# KiCad board BatreeqV2.kicad_pcb (continued)
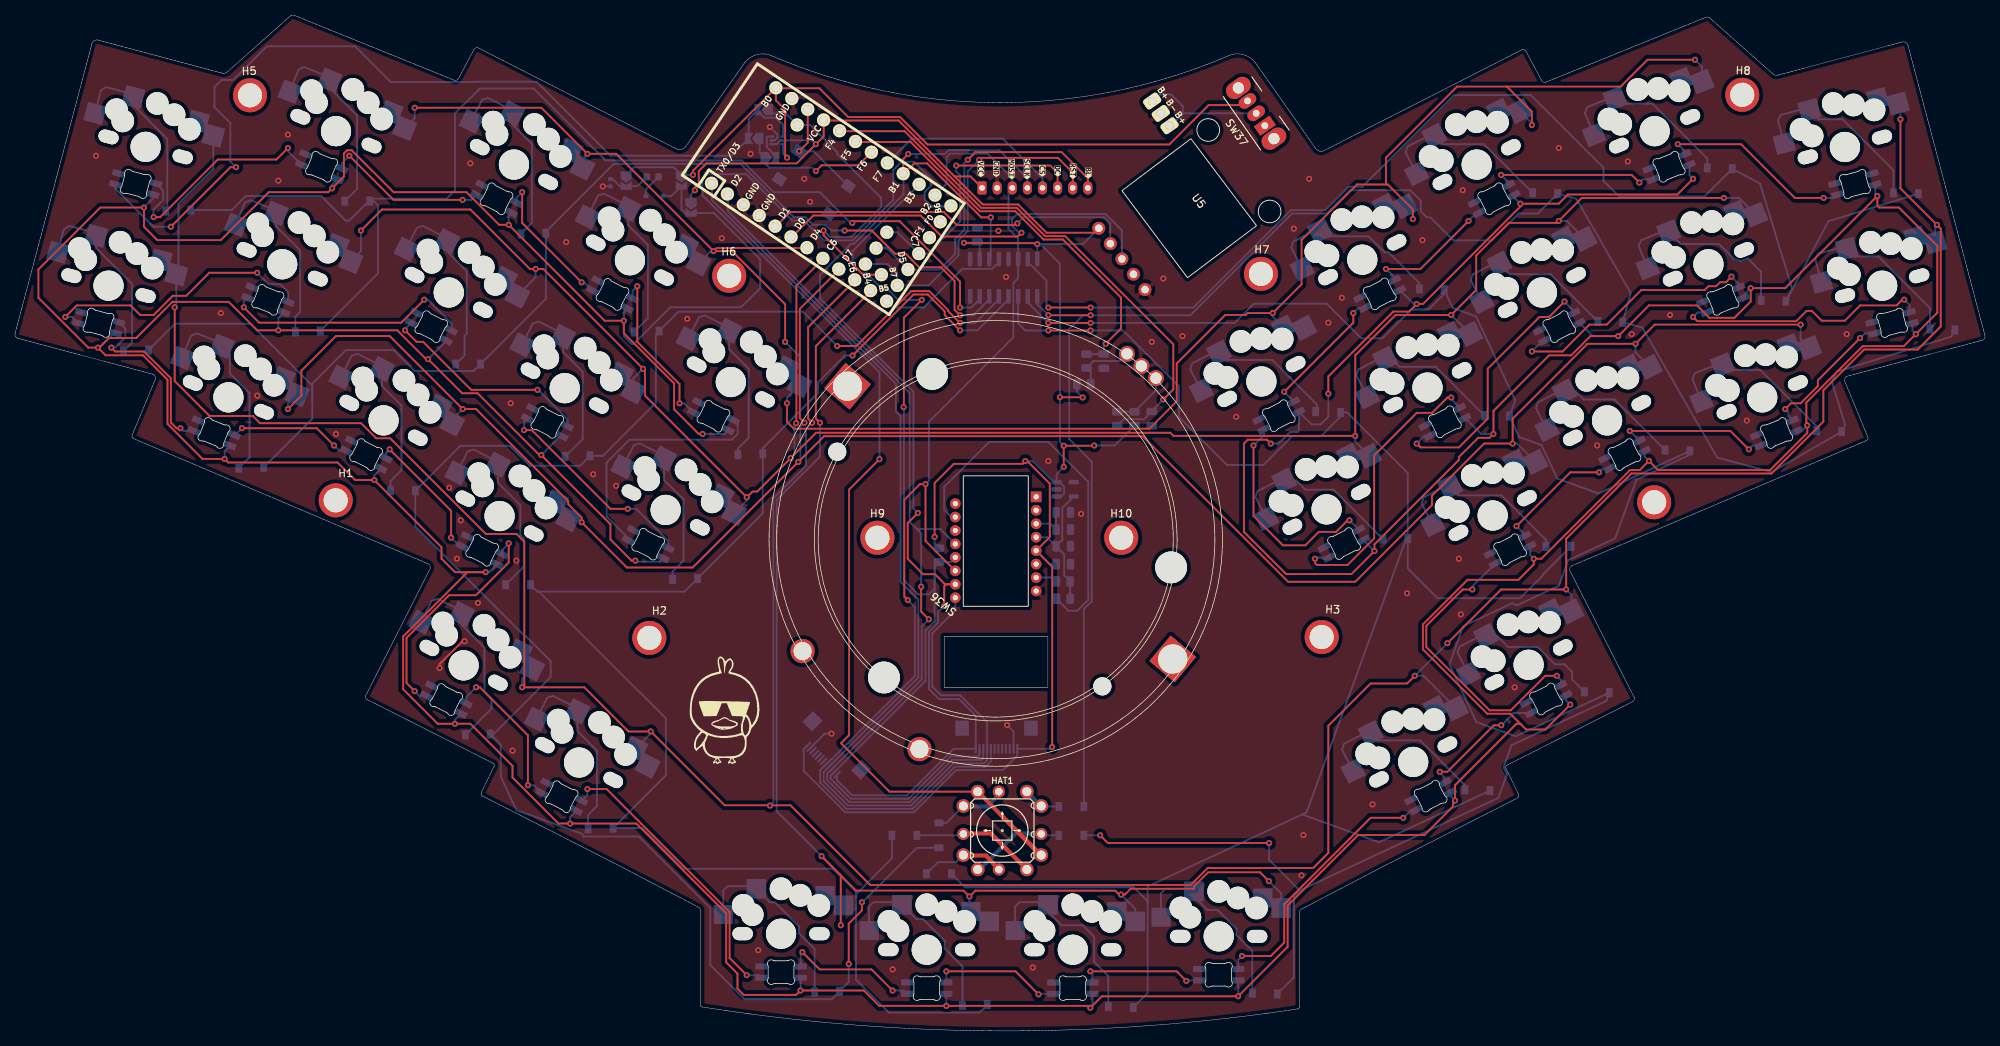
[diagram p0: board, top side]
## Routing (per net, layer and track width the routed paths; a pad name or vN(x,y) marks a point on that pad's centre or on a via; arc(x,y) is an arc through that point) (continued)
Net-(D46-Pad2): length 31.2
  Top w0.25: v1(65.34,64.52) 65.34,61.98 61.02,57.67 57.46,57.67 51.82,52.02 51.82,46.04 v1(52.89,44.97)
  Bottom w0.25: D46.2 64.48,63.67 v1(65.34,64.52) ; v1(52.89,44.97) 53.49,44.36 D52.4
Net-(D46-Pad4): length 18.4
  Top w0.25: v1(49.59,76.97) 57.72,68.84 v1(57.72,65.29)
  Bottom w0.25: v1(49.59,76.97) 49.13,76.51 D73.2 ; v1(57.72,65.29) 58.88,64.12 D46.4
Net-(D47-Pad2): length 22.4
  Top w0.25: v1(196.65,113.29) 213.93,113.29 v1(214.94,112.28)
  Bottom w0.25: D53.4 215.37,112.7 v1(214.94,112.28) ; v1(196.65,113.29) 197.7,112.24 D47.2
Net-(D48-Pad2): length 34.6
  Top w0.25: v1(227.13,99.83) 226.4,99.09 225.64,99.09 225.1,98.56 224.09,98.56 223.58,98.05 215.2,98.05 210.62,93.48 208.34,93.48 204.78,89.92 v1(200.72,89.92)
  Bottom w0.25: D48.2 228.12,98.85 v1(227.13,99.83) ; v1(200.72,89.92) 202.15,91.35 D54.4
Net-(D49-Pad2): length 17
  Top w0.25: v1(196.68,40.45) 195.69,40.45 189.54,34.3 v1(188.53,34.3)
  Bottom w0.25: v1(188.53,34.3) 189.3,33.27 D49.2 ; D55.4 198.3,42.08 v1(196.68,40.45)
Net-(D50-Pad2): length 21.6
  Top w0.25: v1(59.24,109.99) 50.1,109.99 v1(44.25,115.83)
  Bottom w0.25: v1(59.24,109.99) 60.41,109.99 D56.4 ; v1(44.25,115.83) 43.27,114.85 D50.2
Net-(D51-Pad2): length 33.3
  Top w0.25: v1(30.28,95.77) 32.32,93.73 51.11,93.73 v1(54.16,96.78)
  Bottom w0.25: v1(54.16,96.78) 54.61,96.78 57.76,93.64 D51.2 ; D57.4 30.28,96.54 v1(30.28,95.77)
Net-(D52-Pad2): length 21
  Top w0.25: v1(61.02,45.47) 61.53,45.47 67.88,39.12 v1(67.88,32.52)
  Bottom w0.25: v1(61.02,45.47) 59.72,44.18 D52.2 ; D58.4 68.67,32.52 v1(67.88,32.52)
Net-(D53-Pad2): length 26
  Top w0.25: v1(220.02,117.36) 228.4,117.36 235.52,110.24 v1(239.33,110.24)
  Bottom w0.25: D53.2 221,116.38 v1(220.02,117.36) ; v1(239.33,110.24) 240.7,110.24 D59.4
Net-(D54-Pad2): length 35.8
  Top w0.25: v1(185.48,77.73) 185.99,77.22 191.07,77.22 194.88,81.03 194.88,87.64 201.73,94.5 203,94.5 v1(205.04,96.53)
  Bottom w0.25: D54.2 206.33,95.24 v1(205.04,96.53) ; D60.4 186.51,78.77 v1(185.48,77.73)
Net-(D55-Pad2): length 39.6
  Top w0.25: v1(192.84,58.43) 191.57,58.43 186.75,53.6 186.75,50.81 195.13,42.43 197.92,42.43 202.5,47 v1(204.02,47)
  Bottom w0.25: D55.2 204.57,46.45 v1(204.02,47) ; D61.4 192.84,58.82 v1(192.84,58.43)
Net-(D56-Pad2): length 18.8
  Top w0.25: v1(74.99,99.07) 67.11,106.94 v1(67.11,111.01)
  Bottom w0.25: v1(74.99,99.07) 75.33,99.07 D62.4 ; v1(67.11,111.01) 66.38,110.27 D56.2
Net-(D57-Pad2): length 37.4
  Top w0.25: v1(32.06,100.34) 25.71,100.34 22.66,97.29 20.89,97.29 18.35,94.75 16.57,94.75 15.3,96.02 8.19,96.02 v1(6.66,94.5)
  Bottom w0.25: v1(32.06,100.34) 33.59,98.81 35.11,98.81 36.16,97.77 D57.2 ; v1(6.66,94.5) 7.54,94.5 D63.4
Net-(D58-Pad2): length 38.8
  Top w0.25: v1(75.75,32.01) 78.29,32.01 94.57,15.74 94.57,9.64 v1(96.83,7.37)
  Bottom w0.25: v1(96.83,7.37) 98.43,7.37 D64.4 ; v1(75.75,32.01) 75.75,31.24 D58.2
Net-(D60-Pad2): length 38.1
  Top w0.25: v1(190.05,83.83) 189.54,83.83 187.51,81.8 185.48,81.8 179.85,76.17 179.85,65.19 176.33,61.67 172.27,61.67 172.02,61.93 v1(172.02,62.49)
  Bottom w0.25: D65.4 172.17,62.65 v1(172.02,62.49) ; v1(190.05,83.83) 190.05,83.61 D60.2
Net-(D61-Pad2): length 17.2
  Top w0.25: v1(198.69,66.81) 205.8,73.92 v1(209.61,73.92)
  Bottom w0.25: D66.4 210.11,74.42 v1(209.61,73.92) ; v1(198.69,66.81) 199.82,65.68 D61.2
Net-(D62-Pad2): length 22
  Top w0.25: v1(82.35,98.56) 82.35,91.19 87.94,85.61 v1(87.94,83.07)
  Bottom w0.25: D62.2 81.73,97.94 v1(82.35,98.56) ; v1(87.94,83.07) 88.57,83.07 D67.4
Net-(D63-Pad2): length 23.6
  Top w0.25: v1(12.76,90.43) 13.27,89.92 17.08,89.92 20.63,86.37 20.63,80.53 21.39,79.76 v1(21.9,79.76)
  Bottom w0.25: D63.2 14.6,92.95 14.6,91.77 13.27,90.43 v1(12.76,90.43) ; v1(21.9,79.76) 22.25,79.42 D68.4
Net-(D64-Pad2): length 18.1
  Top w0.25: v1(104.2,10.42) 106.48,8.14 113.34,8.14 v1(116.14,5.34)
  Bottom w0.25: v1(116.14,5.34) 117.62,5.34 D69.4 ; v1(104.2,10.42) 103.97,10.2 D64.2
Net-(D65-Pad2): length 29.4
  Top w0.25: v1(163.89,77.48) 163.89,68.16 167.77,64.27 170.75,64.27 172.52,66.05 174.81,66.05 176.33,67.57 v1(176.59,67.57)
  Bottom w0.25: D65.2 v1(176.59,67.57) ; v1(163.89,77.48) 165.26,78.85 D70.4
Net-(D66-Pad2): length 20.3
  Top w0.25: v1(213.67,79.4) 226.99,79.4 v1(229.42,76.97)
  Bottom w0.25: v1(229.42,76.97) 229.92,77.47 D71.4 ; D66.2 v1(213.67,79.4)
Net-(D67-Pad2): length 32.4
  Bottom w0.25: D72.4 81.14,65.23 78.29,68.08 78.29,75.21 81.33,78.25 94.88,78.25 95.63,79 95.63,80.29 D67.2
Net-(D68-Pad2): length 16.4
  Top w0.25: v1(30.03,79.76) 39.94,79.76 v1(42.22,77.48)
  Bottom w0.25: v1(30.03,79.76) 29.13,78.86 D68.2 ; D73.4 42.91,76.79 v1(42.22,77.48)
Net-(D69-Pad2): length 16.9
  Top w0.25: v1(135.44,4.83) 132.39,7.88 v1(123.25,7.88)
  Bottom w0.25: D69.2 123.25,7.88 v1(123.25,7.88) ; v1(135.44,4.83) 135.51,4.91 D74.4
Net-(JP6-Pad2): length 3.9
  Bottom w0.25: U6.3 99.55,118.36 99.47,118.29 99.47,117 100.61,115.87 JP6.2
Net-(R1-Pad2): length 49.7
  Bottom w0.25: U4.15 123.9,68.01 122.96,68.95 122.96,72 128.92,77.95 136.74,77.95 142.03,72.67 142.03,57.06 140.57,55.6 139.4,55.6 R1.2
Net-(R2-Pad1): length 2.9
  Bottom w0.25: U4.7 137.29,60 R2.1
Net-(R4-Pad2): length 7.9
  Bottom w0.25: SW36.A 150.98,84.78 R5.1 R4.2
Net-(R6-Pad1): length 8.5
  Bottom w0.25: SW36.B 146.19,88.65 142.7,88.65 R7.2 142.35,87.19 R6.1

## Copper pours and planes (outline as drawn; the poured copper is in the pictures)
GND on Top, Bottom: 262.92,-25.54 -5.82,-26.05 -5.82,142.1 263.42,142.1
